# Altium PCB Thunderscope_Rev4.PCBDOC (part 7 of 7) (continued)
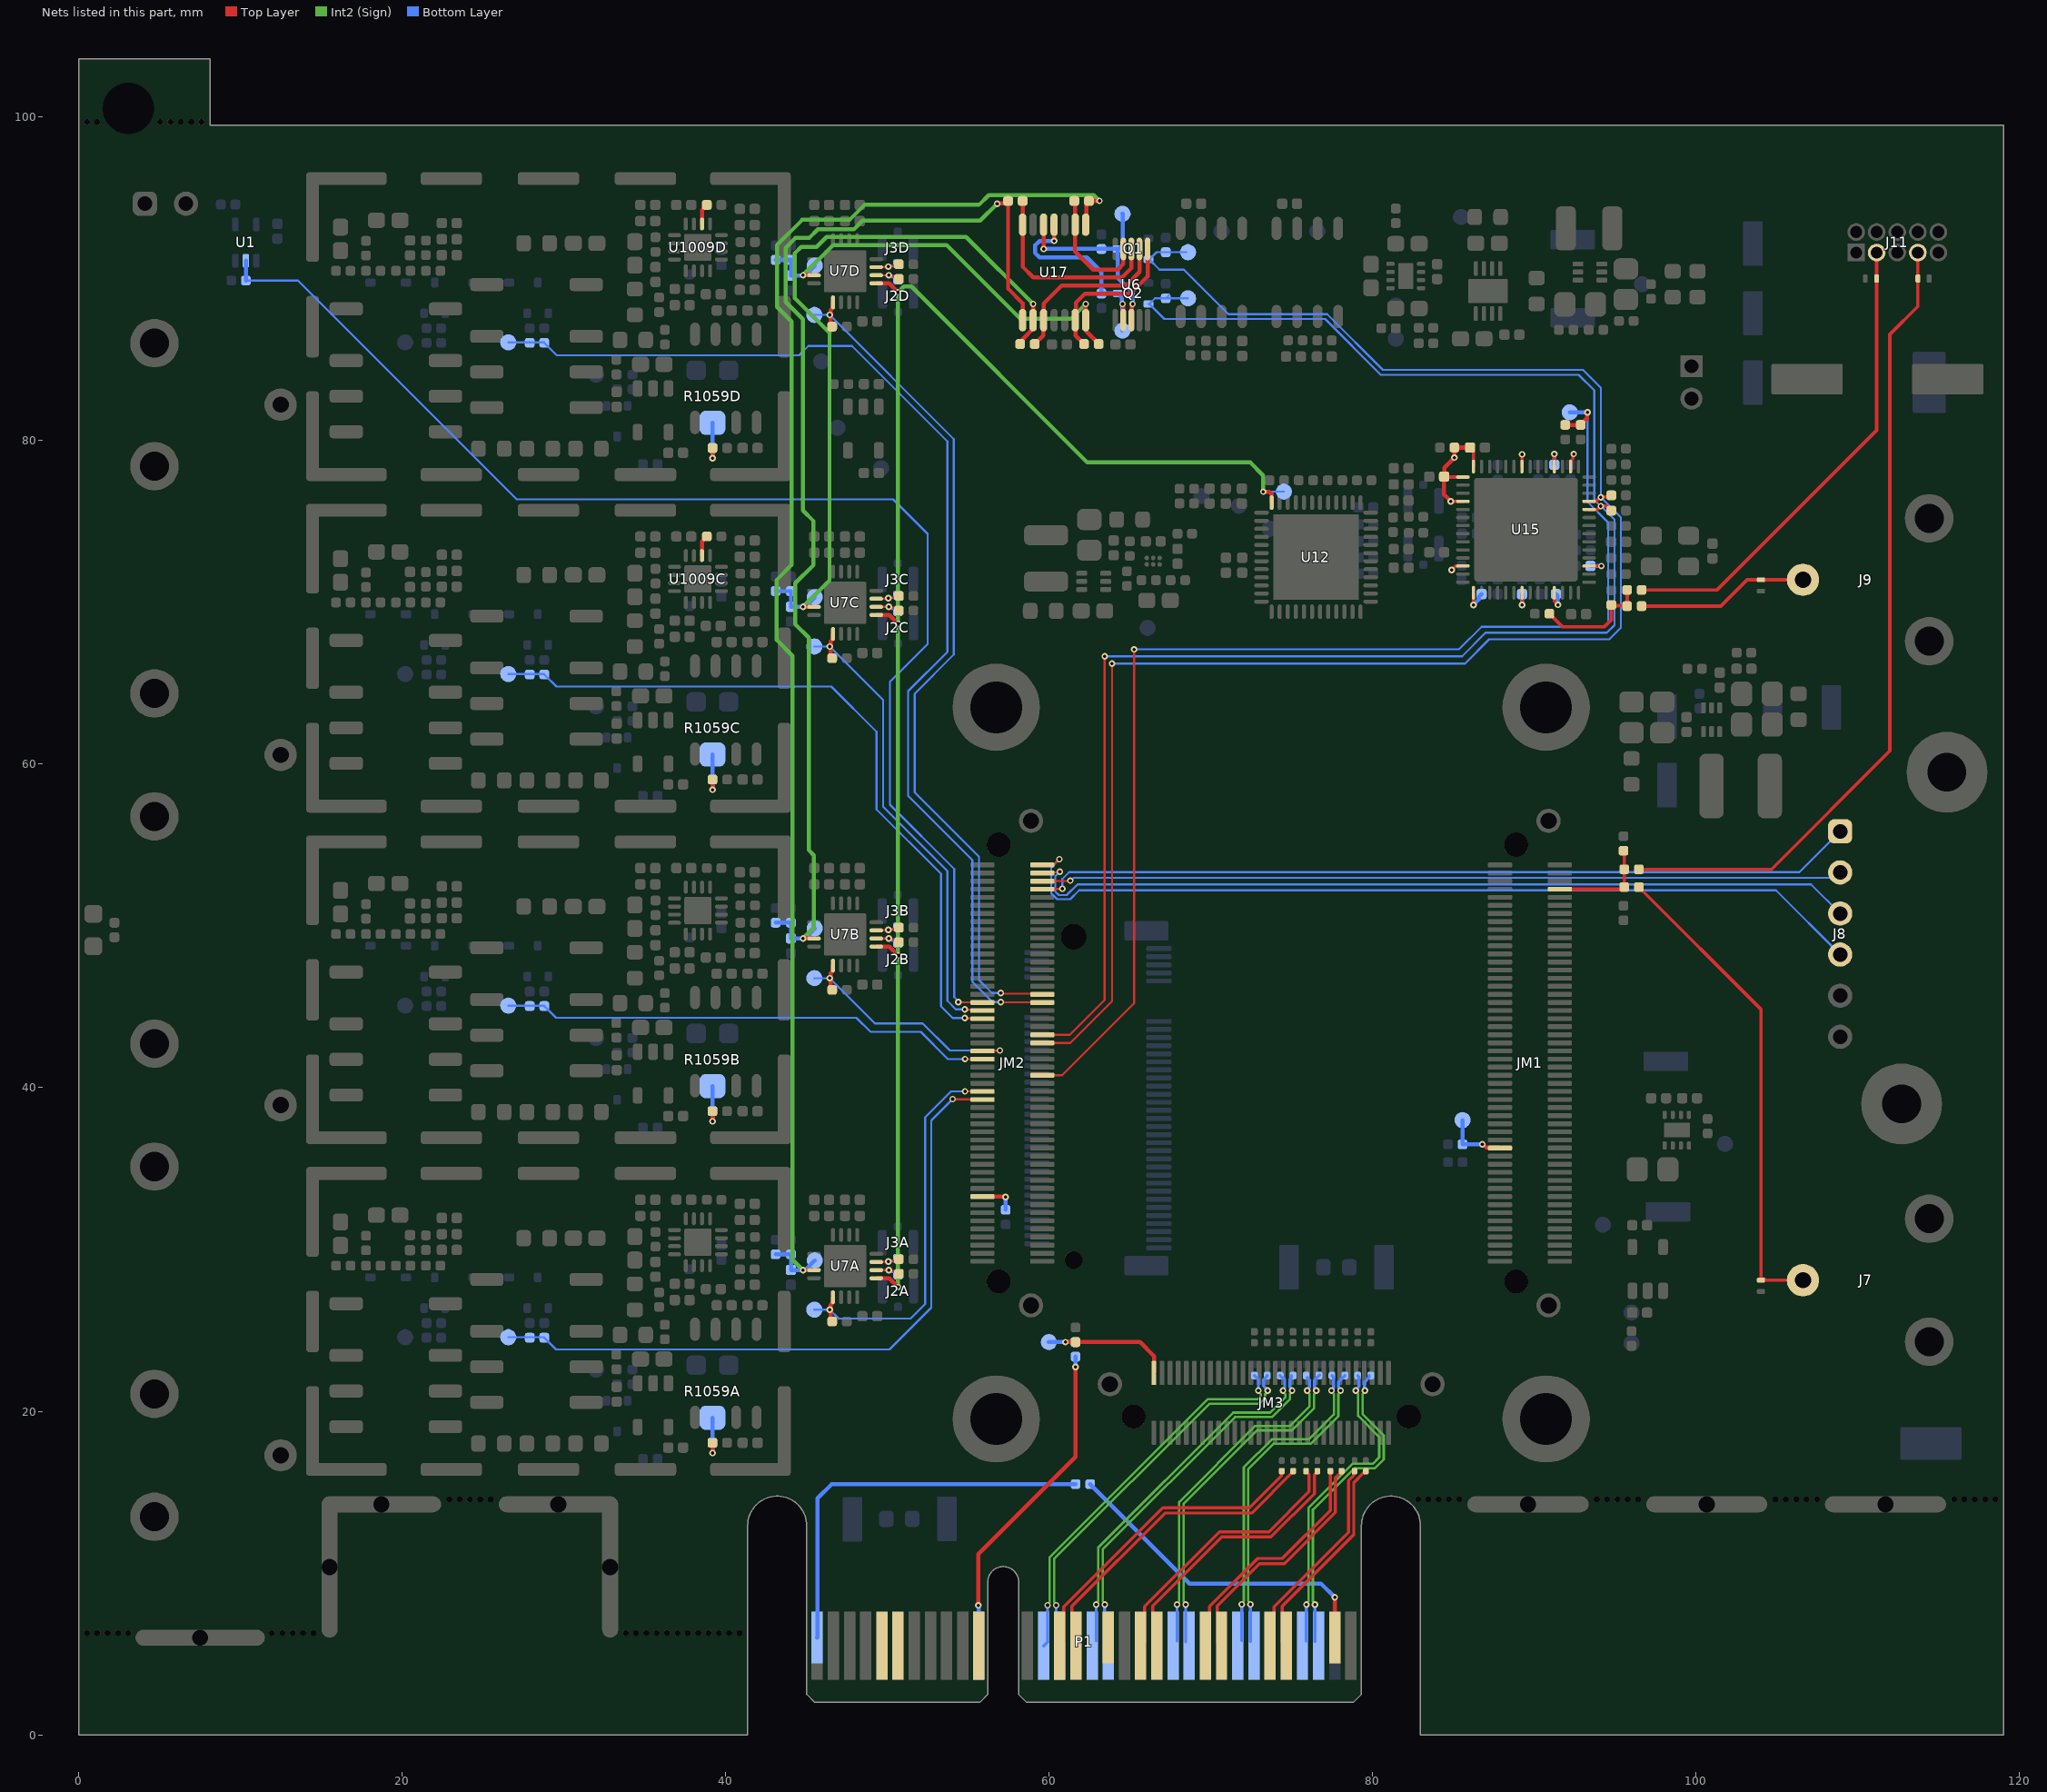
[diagram p11: the nets of this part, all layers, seen from the top]
## Nets (pads, with @x,y where several pads share a name; then routed paths per layer and width w, separated by ;. In a path a pad name is that pad's centre, name@x,y a point inside that pad or via, vN(x,y) a via of type N, cw(c..) or ccw(c..) an arc to the next point about the centre after c; other vN are vias at no path point) (continued)
  Int2 (Sign) w0.254: v1(50.65,27.675) v1(50.65,48.175) v1(50.65,68.675) v1(50.65,89.175) 51,89.525 51.475,89.525 62.35,78.65 72.425,78.65 73.229,77.846 v1(73.229,76.846)
  Bottom Layer w0.127: v1(73.229,76.846) 73.231,76.848 74.498,76.848 TP16.1@74.5,76.85
  Bottom Layer w0.254: v1@73.227,76.844 v1(73.229,76.846)
VDDH: C88.1 C90.1 C93.1 C94.1 C95.1 C112.1 C113.1 FB5.2 U15.1 U15.7 U15.11 U15.17 U15.30 U15.32 U15.36 U15.42 U15.43 U15.46 U15.54 | length 17.8
  Top Layer w0.2: C95.1@84.41,77.775 84.435,77.75 U15.43@85.575,77.75 ; v1(84.82,76.25) U15.46@85.575,76.25 ; v1(84.875,72) 85.125,72.25 U15.54@85.575,72.25 ; C112.1@86.015,79.575 86.015,79.543 86.225,79.333 U15.42@86.225,78.4 ; v1(86.225,69.845) U15.1@86.225,70.6 ; v1(89.225,69.845) U15.7@89.225,70.6 ; U15.36@89.225,78.4 v1(89.225,79.155) ; U15.11@91.225,70.6 91.225,70.075 v1(91.45,69.85) ; U15.32@91.225,78.4 v1(91.225,79.175) ; U15.30@92.225,78.4 92.225,78.725 92.386,78.886 92.386,79.136 v1(92.425,79.175) ; U15.17@93.375,72.25 v1(94.13,72.25)
  Top Layer w0.254: v1(84.82,76.25) 84.82,76.257 84.41,76.666 C95.1@84.41,77.775 84.427,77.792 84.427,78.327 v1(85.05,78.95) FB5.2@85.05,79.575 85.983,79.575 C112.1@86.015,79.543
  Bottom Layer w0.254: v1(86.225,69.845) 86.552,70.172 86.552,70.342 C90.1@86.725,70.515 ; v1(89.225,69.845) C113.1@89.225,70.515 ; C88.1@91.225,78.51 v1(91.225,79.175) ; C93.1@91.325,70.515 91.421,70.419 91.421,69.879 v1(91.45,69.85) ; C94.1@93.46,72.25 v1(94.13,72.25)
VOUT1: R15.2 U6.9 U17.2 | length 7.7
  Top Layer w0.254: R15.2@61.475,94.825 61.6,94.7 U17.2@61.6,93.35 61.6,91.7 62.725,90.575 64.225,90.575 64.575,90.925 U6.9@64.575,91.85
VOUT2: R17.2 U6.8 U17.7 | length 12.5
  Top Layer w0.254: R17.2@58.35,94.825 U17.7@58.35,93.35 58.35,90.75 59,90.1 64.5,90.1 65.069,90.669 65.069,91.819 65.057,91.832 U6.8@65.075,91.85
VOUT3: R18.2 U6.7 U17.10 | length 10.9
  Top Layer w0.254: R18.2@59.1,85.975 59.625,86.5 59.625,87.425 U17.10@59.65,87.45 59.65,88.475 60.775,89.6 64.75,89.6 65.575,90.425 U6.7@65.575,91.85
VOUT4: R19.2 U6.6 U17.13 | length 9.6
  Top Layer w0.254: U17.13@61.6,87.45 U17.13@61.625,87.425 ; R19.2@62.15,85.975 61.625,86.5 U17.13@61.625,87.425 ; U6.6@66.075,91.85 66.075,90.15 65,89.075 62.2,89.075 61.638,88.513 61.638,87.438 U17.13@61.625,87.425
WAKE#: P1.B11
pads on no net: J10.1 J10.7 J10.9 J10.11 J10.21 J10.23 J10.25 J10.27 J10.29 J10.31 J10.33 J10.35 J10.37 J10.39 J10.41 J10.43 J10.45 J10.47 J10.55 J10.57 J10.67 J10.68 J10.75 J10.78 J10.79 JM1. JM1.3 JM1.5 JM1.8 JM1.9 JM1.11 JM1.13 JM1.15 JM1.17 JM1.18 JM1.20 JM1.21 JM1.22 JM1.23 JM1.24 JM1.26 JM1.28 JM1.31 JM1.32 JM1.34 JM1.35 JM1.36 JM1.37 JM1.38 JM1.39 JM1.40 JM1.41 JM1.42 JM1.44 JM1.45 JM1.46 JM1.47 JM1.48 JM1.49 JM1.50 JM1.51 JM1.52 JM1.56 JM1.58 JM1.66 JM1.68 JM1.70 JM1.72 JM1.75 JM1.77 JM1.80 JM1.82 JM1.84 JM1.86 JM1.88 JM1.91 JM1.92 JM1.98 JM1.100 JM2. JM2.6 JM2.9 JM2.11 JM2.12 JM2.13 JM2.14 JM2.15 JM2.16 JM2.18 JM2.20 JM2.21 JM2.22 JM2.23 JM2.24 JM2.25 JM2.26 JM2.27 JM2.28 JM2.30 JM2.32 JM2.34 JM2.36 JM2.38 JM2.67 JM2.71 JM2.72 JM2.73 JM2.74 JM2.75 JM2.76 JM2.77 JM2.78 JM2.81 JM2.82 JM2.83 JM2.84 JM2.85 JM2.86 JM2.87 JM2.88 JM2.90 JM2.91 JM2.93 JM2.95 JM2.97 JM2.99 JM3. JM3.1 JM3.2 JM3.3 JM3.4 JM3.31 JM3.33 JM3.37 JM3.38 JM3.39 JM3.40 JM3.41 JM3.42 JM3.43 JM3.44 JM3.47 JM3.48 JM3.49 JM3.50 JM3.51 JM3.52 JM3.53 JM3.54 JM3.55 JM3.56 JM3.57 JM3.58 JM3.59 P1.A19 P1.A32 P1.B12 P1.B30 R1059A.1 R1059B.1 R1059C.1 R1059D.1 U1.1 U5.1 U5.5 U5.8 U6.5 U7A.1 U7A.2 U7A.16 U7B.1 U7B.2 U7B.16 U7C.1 U7C.2 U7C.16 U7D.1 U7D.2 U7D.16 U8.1 U8.5 U8.8 U11.6 U15.2 U15.3 U15.5 U15.6 U15.9 U15.12 U15.13 U15.20 U15.34 U15.35 U15.37 U15.38 U15.40 U15.41 U15.44 U15.45 U15.52 U15.53 U15.55 U15.56 U16.4 U20.4 U1009A.9 U1009A.13 U1009A.16 U1009B.9 U1009B.13 U1009B.16 U1009C.9 U1009C.13 U1009C.16 U1009D.9 U1009D.13 U1009D.16 U1011A.1 U1011A.5 U1011A.8 U1011B.1 U1011B.5 U1011B.8 U1011C.1 U1011C.5 U1011C.8 U1011D.1 U1011D.5 U1011D.8

## Polygon pours and split planes (outlines as drawn)
GND on Top Layer "GND_L05_P-001" (solid, remove dead copper, pour order 80): 0,0 0,104 119,104 119,0
+5V2 on Top Layer "+5V2_L01_P-001" (solid, pour order 79): 91,89.5 91,95.85 80.9,95.85 80.9,93 89.25,93 89.25,89.5
NetC2_2 on Top Layer "NetC2_2_IN_L01_P-001" (solid, pour order 78): 93.825,94.485 109.05,94.485 109.05,80.675 98,80.675 98,90 93.825,90
+3V3 on Top Layer "+3V3_L01_P-001" (solid, pour order 53): 98.885,39.05 97.385,39.05 97.385,40.85 98.885,40.85
+3V3_IN on Top Layer "+3V3_L01_P-001" (solid, pour order 77): 97.5,35.7 99,35.7 99,33.1 97.5,33.1
+3V3 on Top Layer "+3V3_L01_P-001" (solid, pour order 55): 99.325,89.325 100.825,89.325 100.825,87.375 99.325,87.375
+VUSB on Top Layer "+VUSB_L01_P-001" (solid, pour order 75): 98,89.325 98,80.675 101.5,80.675 101.5,87.237 99.325,87.237 99.325,89.325
+2V5 on Top Layer "+2V5_L01_P-001" (solid, pour order 70): 95.5,29.5 96.5,29.5 96.5,31.925 90.8,31.925 90.8,31.1 95.5,31.1
+3V3 on Top Layer "+3V3_L01_P-002" (solid, pour order 74): 56.95,31.5 58.45,31.5 58.45,29.025 56.95,29.025
+3V3_M2 on Top Layer "+3V3_M2_L01_P-001" (solid, pour order 71): 67.25,48.875 68.5,48.875 68.5,31.875 77.75,31.875 77.75,27 67.25,27
GND on Bottom Layer "GND_L05_P-001" (solid, remove dead copper, pour order 69): 0,0 0,104 119,104 119,0
+3V3_PCIe on Bottom Layer "+3V3_PCIe_L01_P-001" (solid, pour order 54): 55,7.75 52.3,7.75 52.3,11.925 50.725,11.925 50.725,14.75 52.3,14.75 55,14.75
-5V on Int2 (Sign) "-4V8_L03_P-001" (solid, remove dead copper, pour order 61): 71.45,94.175 71.45,83.675 81.4,83.675 81.4,100 0,100 0,0 41,0 41,10.1 43.125,10.1 43.125,94.175
GND on Int2 (Sign) "GND_L05_P-001" (solid, remove dead copper, pour order 87): 0,0 0,104 119,104 119,0
+1V8APLL on Int2 (Sign) "+1V8APLL_L01_P-001" (solid, pour order 73): 81.75,68.25 101.775,68.25 101.775,79.65 81.75,79.65
+5V2 on Int2 (Sign) "+5V2_L03_P-001" (solid, pour order 58): 105,61 112,61 112,95.8 85,95.8 85,86 105,86
+12V_PCIe on Int2 (Sign) "+12V_PCIe_L03_P-001" (solid, pour order 60): 46,7.5 46,19 53,26 53,34 55.25,36.25 55.25,51.25 64.5,60.5 98.5,60.5 98.5,53 63.5,53 60,49.5 60,34 56,30 56,24 49.5,17.5 49.5,7.5
+1V8A on Int2 (Sign) "+1V8A_L01_P-001" (solid, pour order 85): 68.5,76.425 80.25,76.425 80.25,79.65 81.6,79.65 81.6,72.875 72,72.875 72,73.525 68.5,73.525
+1V8D on Int2 (Sign) "+1V8D_L01_P-001" (solid, pour order 82): 67.05,76.425 67.05,70.125 81.6,70.125 81.6,72.875 72,72.875 72,73.525 68.5,73.525 68.5,76.425
NetC60_2 on Int2 (Sign) "NetC60_2_L01_P-001" (solid, pour order 67): 69.25,78.125 64.475,78.125 64.475,68.25 85.875,68.25 85.875,71.65 81.75,71.65 81.75,70.125 67.05,70.125 67.05,76.575 69.25,76.575
+3V3 on Int3 (Sign) "+3V3_L04_P-001" (solid, remove dead copper, pour order 86): 0,0 0,104 119,104 119,0
VDDH on Int3 (Sign) "VDDH_L01_P-001" (solid, pour order 81): 84.452,79.5 94.475,79.5 94.475,69.5 84.522,69.5
+5V on Int3 (Sign) "+4V8_L04_P-001" (solid, remove dead copper, pour order 72): 48.025,87.35 55.025,87.35 55.025,83.95 88.4,83.95 88.4,95.6 34.15,95.6 34.15,16.925 48.025,16.925
+3V3_PGA on Int3 (Sign) "+3V3_PGA_L04_P-001" (solid, pour order 66): 48.1,87.2 50.5,87.2 50.5,16.9 48.1,16.9
+3V3_IN on Int3 (Sign) "+3V3_IN_L04_P-001" (solid, pour order 84): 43.2,14.9 43.2,2 99.2,2 99.2,35 56.5,35 56.5,28 56.5,14.9
GND on Int4 (GND) "GND_L05_P-001" (solid, remove dead copper, pour order 51): 0,0 0,104 119,104 119,0
GND on Int1 (GND) "GND_L05_P-001" (solid, remove dead copper, pour order 52): 0,0 0,104 119,104 119,0

## Keep-outs
Top Layer:
  region: 119,14.875 119,99 118,99 118,14.875
  rectangle: 0,97 119,99.5
  rectangle: 79.3,13.025 119,15.75
  region: 15,14.7 15.05,14.7 33.3,14.7 33.3,9.95 ccw(c33.35,9.95) 33.35,9.9 41.35,9.9 ccw(c41.35,9.95) 41.4,9.95 41.4,12.925 cw(c43.175,12.925) 44.95,12.925 ccw(c45,12.925) 45,12.875 45,15.8 15,15.8
Int1 (GND):
  region: 31.1,30.2 31.1,31.2 30.05,31.2 30.05,30.2
  region: 27.95,30.2 27.95,31.2 27.05,31.2 27.05,30.2
  region: 29.55,30.2 29.55,31.2 28.65,31.2 28.65,30.2
  region: 31.15,17.5 31.15,18.5 30.25,18.5 30.25,17.5
  region: 28.15,17.5 28.15,18.5 27.25,18.5 27.25,17.5
  region: 29.75,17.5 29.75,18.5 28.85,18.5 28.85,17.5
  region: 25.15,17.5 25.15,18.5 24.25,18.5 24.25,17.5
  region: 26.75,17.5 26.75,18.5 25.85,18.5 25.85,17.5
  region: 32.395,22.35 32.395,23.15 30.32,23.15 30.32,22.35
  region: 32.395,20.15 32.395,20.95 30.32,20.95 30.32,20.15
  region: 24.195,23.15 24.195,22.35 26.27,22.35 26.27,23.15
  region: 24.195,20.95 24.195,20.15 26.27,20.15 26.27,20.95
  region: 32.395,24.55 32.395,25.35 30.32,25.35 30.32,24.55
  region: 26.255,24.55 26.255,25.35 24.18,25.35 24.18,24.55
  region: 23.7,20.85 23.7,21.65 21.625,21.65 21.625,20.85
  region: 23.7,18.65 23.7,19.45 21.625,19.45 21.625,18.65
  region: 15.5,21.65 15.5,20.85 17.575,20.85 17.575,21.65
  region: 15.5,19.45 15.5,18.65 17.575,18.65 17.575,19.45
  region: 23.7,23.05 23.7,23.85 21.625,23.85 21.625,23.05
  region: 17.56,23.05 17.56,23.85 15.485,23.85 15.485,23.05
  region: 31.1,50.7 31.1,51.7 30.05,51.7 30.05,50.7
  region: 27.95,50.7 27.95,51.7 27.05,51.7 27.05,50.7
  region: 29.55,50.7 29.55,51.7 28.65,51.7 28.65,50.7
  region: 31.15,38 31.15,39 30.25,39 30.25,38
  region: 28.15,38 28.15,39 27.25,39 27.25,38
  region: 29.75,38 29.75,39 28.85,39 28.85,38
  region: 25.15,38 25.15,39 24.25,39 24.25,38
  region: 26.75,38 26.75,39 25.85,39 25.85,38
  region: 32.395,42.85 32.395,43.65 30.32,43.65 30.32,42.85
  region: 32.395,40.65 32.395,41.45 30.32,41.45 30.32,40.65
  region: 24.195,43.65 24.195,42.85 26.27,42.85 26.27,43.65
  region: 24.195,41.45 24.195,40.65 26.27,40.65 26.27,41.45
  region: 32.395,45.05 32.395,45.85 30.32,45.85 30.32,45.05
  region: 26.255,45.05 26.255,45.85 24.18,45.85 24.18,45.05
  region: 23.7,41.35 23.7,42.15 21.625,42.15 21.625,41.35
  region: 23.7,39.15 23.7,39.95 21.625,39.95 21.625,39.15
  region: 15.5,42.15 15.5,41.35 17.575,41.35 17.575,42.15
  region: 15.5,39.95 15.5,39.15 17.575,39.15 17.575,39.95
  region: 23.7,43.55 23.7,44.35 21.625,44.35 21.625,43.55
  region: 17.56,43.55 17.56,44.35 15.485,44.35 15.485,43.55
  region: 31.1,71.2 31.1,72.2 30.05,72.2 30.05,71.2
  region: 27.95,71.2 27.95,72.2 27.05,72.2 27.05,71.2
  region: 29.55,71.2 29.55,72.2 28.65,72.2 28.65,71.2
  region: 31.15,58.5 31.15,59.5 30.25,59.5 30.25,58.5
  region: 28.15,58.5 28.15,59.5 27.25,59.5 27.25,58.5
  region: 29.75,58.5 29.75,59.5 28.85,59.5 28.85,58.5
  region: 25.15,58.5 25.15,59.5 24.25,59.5 24.25,58.5
  region: 26.75,58.5 26.75,59.5 25.85,59.5 25.85,58.5
  region: 32.395,63.35 32.395,64.15 30.32,64.15 30.32,63.35
  region: 32.395,61.15 32.395,61.95 30.32,61.95 30.32,61.15
  region: 24.195,64.15 24.195,63.35 26.27,63.35 26.27,64.15
  region: 24.195,61.95 24.195,61.15 26.27,61.15 26.27,61.95
  region: 32.395,65.55 32.395,66.35 30.32,66.35 30.32,65.55
  region: 26.255,65.55 26.255,66.35 24.18,66.35 24.18,65.55
  region: 23.7,61.85 23.7,62.65 21.625,62.65 21.625,61.85
  region: 23.7,59.65 23.7,60.45 21.625,60.45 21.625,59.65
  region: 15.5,62.65 15.5,61.85 17.575,61.85 17.575,62.65
  region: 15.5,60.45 15.5,59.65 17.575,59.65 17.575,60.45
  region: 23.7,64.05 23.7,64.85 21.625,64.85 21.625,64.05
  region: 17.56,64.05 17.56,64.85 15.485,64.85 15.485,64.05
  region: 17.56,84.55 17.56,85.35 15.485,85.35 15.485,84.55
  region: 23.7,84.55 23.7,85.35 21.625,85.35 21.625,84.55
  region: 15.5,80.95 15.5,80.15 17.575,80.15 17.575,80.95
  region: 15.5,83.15 15.5,82.35 17.575,82.35 17.575,83.15
  region: 23.7,80.15 23.7,80.95 21.625,80.95 21.625,80.15
  region: 23.7,82.35 23.7,83.15 21.625,83.15 21.625,82.35
  region: 26.255,86.05 26.255,86.85 24.18,86.85 24.18,86.05
  region: 32.395,86.05 32.395,86.85 30.32,86.85 30.32,86.05
  region: 24.195,82.45 24.195,81.65 26.27,81.65 26.27,82.45
  region: 24.195,84.65 24.195,83.85 26.27,83.85 26.27,84.65
  region: 32.395,81.65 32.395,82.45 30.32,82.45 30.32,81.65
  region: 32.395,83.85 32.395,84.65 30.32,84.65 30.32,83.85
  region: 26.75,79 26.75,80 25.85,80 25.85,79
  region: 25.15,79 25.15,80 24.25,80 24.25,79
  region: 29.75,79 29.75,80 28.85,80 28.85,79
  region: 28.15,79 28.15,80 27.25,80 27.25,79
  region: 31.15,79 31.15,80 30.25,80 30.25,79
  region: 29.55,91.7 29.55,92.7 28.65,92.7 28.65,91.7
  region: 27.95,91.7 27.95,92.7 27.05,92.7 27.05,91.7
  region: 31.1,91.7 31.1,92.7 30.05,92.7 30.05,91.7
Int2 (Sign):
  region: 31.1,30.2 31.1,31.2 30.05,31.2 30.05,30.2
  region: 27.95,30.2 27.95,31.2 27.05,31.2 27.05,30.2
  region: 29.55,30.2 29.55,31.2 28.65,31.2 28.65,30.2
  region: 31.15,17.5 31.15,18.5 30.25,18.5 30.25,17.5
  region: 28.15,17.5 28.15,18.5 27.25,18.5 27.25,17.5
  region: 29.75,17.5 29.75,18.5 28.85,18.5 28.85,17.5
  region: 25.15,17.5 25.15,18.5 24.25,18.5 24.25,17.5
  region: 26.75,17.5 26.75,18.5 25.85,18.5 25.85,17.5
  region: 17.56,23.05 17.56,23.85 15.485,23.85 15.485,23.05
  region: 23.7,23.05 23.7,23.85 21.625,23.85 21.625,23.05
  region: 15.5,19.45 15.5,18.65 17.575,18.65 17.575,19.45
  region: 15.5,21.65 15.5,20.85 17.575,20.85 17.575,21.65
  region: 23.7,18.65 23.7,19.45 21.625,19.45 21.625,18.65
  region: 23.7,20.85 23.7,21.65 21.625,21.65 21.625,20.85
  region: 26.255,24.55 26.255,25.35 24.18,25.35 24.18,24.55
  region: 32.395,24.55 32.395,25.35 30.32,25.35 30.32,24.55
  region: 24.195,20.95 24.195,20.15 26.27,20.15 26.27,20.95
  region: 24.195,23.15 24.195,22.35 26.27,22.35 26.27,23.15
  region: 32.395,20.15 32.395,20.95 30.32,20.95 30.32,20.15
  region: 32.395,22.35 32.395,23.15 30.32,23.15 30.32,22.35
  region: 31.1,50.7 31.1,51.7 30.05,51.7 30.05,50.7
  region: 27.95,50.7 27.95,51.7 27.05,51.7 27.05,50.7
  region: 29.55,50.7 29.55,51.7 28.65,51.7 28.65,50.7
  region: 31.15,38 31.15,39 30.25,39 30.25,38
  region: 28.15,38 28.15,39 27.25,39 27.25,38
  region: 29.75,38 29.75,39 28.85,39 28.85,38
  region: 25.15,38 25.15,39 24.25,39 24.25,38
  region: 26.75,38 26.75,39 25.85,39 25.85,38
  region: 17.56,43.55 17.56,44.35 15.485,44.35 15.485,43.55
  region: 23.7,43.55 23.7,44.35 21.625,44.35 21.625,43.55
  region: 15.5,39.95 15.5,39.15 17.575,39.15 17.575,39.95
  region: 15.5,42.15 15.5,41.35 17.575,41.35 17.575,42.15
  region: 23.7,39.15 23.7,39.95 21.625,39.95 21.625,39.15
  region: 23.7,41.35 23.7,42.15 21.625,42.15 21.625,41.35
  region: 26.255,45.05 26.255,45.85 24.18,45.85 24.18,45.05
  region: 32.395,45.05 32.395,45.85 30.32,45.85 30.32,45.05
  region: 24.195,41.45 24.195,40.65 26.27,40.65 26.27,41.45
  region: 24.195,43.65 24.195,42.85 26.27,42.85 26.27,43.65
  region: 32.395,40.65 32.395,41.45 30.32,41.45 30.32,40.65
  region: 32.395,42.85 32.395,43.65 30.32,43.65 30.32,42.85
  region: 31.1,71.2 31.1,72.2 30.05,72.2 30.05,71.2
  region: 27.95,71.2 27.95,72.2 27.05,72.2 27.05,71.2
  region: 29.55,71.2 29.55,72.2 28.65,72.2 28.65,71.2
  region: 31.15,58.5 31.15,59.5 30.25,59.5 30.25,58.5
  region: 28.15,58.5 28.15,59.5 27.25,59.5 27.25,58.5
  region: 29.75,58.5 29.75,59.5 28.85,59.5 28.85,58.5
  region: 25.15,58.5 25.15,59.5 24.25,59.5 24.25,58.5
  region: 26.75,58.5 26.75,59.5 25.85,59.5 25.85,58.5
  region: 17.56,64.05 17.56,64.85 15.485,64.85 15.485,64.05
  region: 23.7,64.05 23.7,64.85 21.625,64.85 21.625,64.05
  region: 15.5,60.45 15.5,59.65 17.575,59.65 17.575,60.45
  region: 15.5,62.65 15.5,61.85 17.575,61.85 17.575,62.65
  region: 23.7,59.65 23.7,60.45 21.625,60.45 21.625,59.65
  region: 23.7,61.85 23.7,62.65 21.625,62.65 21.625,61.85
  region: 26.255,65.55 26.255,66.35 24.18,66.35 24.18,65.55
  region: 32.395,65.55 32.395,66.35 30.32,66.35 30.32,65.55
  region: 24.195,61.95 24.195,61.15 26.27,61.15 26.27,61.95
  region: 24.195,64.15 24.195,63.35 26.27,63.35 26.27,64.15
  region: 32.395,61.15 32.395,61.95 30.32,61.95 30.32,61.15
  region: 32.395,63.35 32.395,64.15 30.32,64.15 30.32,63.35
  region: 32.395,83.85 32.395,84.65 30.32,84.65 30.32,83.85
  region: 32.395,81.65 32.395,82.45 30.32,82.45 30.32,81.65
  region: 24.195,84.65 24.195,83.85 26.27,83.85 26.27,84.65
  region: 24.195,82.45 24.195,81.65 26.27,81.65 26.27,82.45
  region: 32.395,86.05 32.395,86.85 30.32,86.85 30.32,86.05
  region: 26.255,86.05 26.255,86.85 24.18,86.85 24.18,86.05
  region: 23.7,82.35 23.7,83.15 21.625,83.15 21.625,82.35
  region: 23.7,80.15 23.7,80.95 21.625,80.95 21.625,80.15
  region: 15.5,83.15 15.5,82.35 17.575,82.35 17.575,83.15
  region: 15.5,80.95 15.5,80.15 17.575,80.15 17.575,80.95
  region: 23.7,84.55 23.7,85.35 21.625,85.35 21.625,84.55
  region: 17.56,84.55 17.56,85.35 15.485,85.35 15.485,84.55
  region: 26.75,79 26.75,80 25.85,80 25.85,79
  region: 25.15,79 25.15,80 24.25,80 24.25,79
  region: 29.75,79 29.75,80 28.85,80 28.85,79
  region: 28.15,79 28.15,80 27.25,80 27.25,79
  region: 31.15,79 31.15,80 30.25,80 30.25,79
  region: 29.55,91.7 29.55,92.7 28.65,92.7 28.65,91.7
  region: 27.95,91.7 27.95,92.7 27.05,92.7 27.05,91.7
  region: 31.1,91.7 31.1,92.7 30.05,92.7 30.05,91.7
Int3 (Sign):
  region: 31.1,30.2 31.1,31.2 30.05,31.2 30.05,30.2
  region: 27.95,30.2 27.95,31.2 27.05,31.2 27.05,30.2
  region: 29.55,30.2 29.55,31.2 28.65,31.2 28.65,30.2
  region: 31.15,17.5 31.15,18.5 30.25,18.5 30.25,17.5
  region: 28.15,17.5 28.15,18.5 27.25,18.5 27.25,17.5
  region: 29.75,17.5 29.75,18.5 28.85,18.5 28.85,17.5
  region: 25.15,17.5 25.15,18.5 24.25,18.5 24.25,17.5
  region: 26.75,17.5 26.75,18.5 25.85,18.5 25.85,17.5
  region: 17.56,23.05 17.56,23.85 15.485,23.85 15.485,23.05
  region: 23.7,23.05 23.7,23.85 21.625,23.85 21.625,23.05
  region: 15.5,19.45 15.5,18.65 17.575,18.65 17.575,19.45
  region: 15.5,21.65 15.5,20.85 17.575,20.85 17.575,21.65
  region: 23.7,18.65 23.7,19.45 21.625,19.45 21.625,18.65
  region: 23.7,20.85 23.7,21.65 21.625,21.65 21.625,20.85
  region: 26.255,24.55 26.255,25.35 24.18,25.35 24.18,24.55
  region: 32.395,24.55 32.395,25.35 30.32,25.35 30.32,24.55
  region: 24.195,20.95 24.195,20.15 26.27,20.15 26.27,20.95
  region: 24.195,23.15 24.195,22.35 26.27,22.35 26.27,23.15
  region: 32.395,20.15 32.395,20.95 30.32,20.95 30.32,20.15
  region: 32.395,22.35 32.395,23.15 30.32,23.15 30.32,22.35
  region: 31.1,50.7 31.1,51.7 30.05,51.7 30.05,50.7
  region: 27.95,50.7 27.95,51.7 27.05,51.7 27.05,50.7
  region: 29.55,50.7 29.55,51.7 28.65,51.7 28.65,50.7
  region: 31.15,38 31.15,39 30.25,39 30.25,38
  region: 28.15,38 28.15,39 27.25,39 27.25,38
  region: 29.75,38 29.75,39 28.85,39 28.85,38
  region: 25.15,38 25.15,39 24.25,39 24.25,38
  region: 26.75,38 26.75,39 25.85,39 25.85,38
  region: 17.56,43.55 17.56,44.35 15.485,44.35 15.485,43.55
  region: 23.7,43.55 23.7,44.35 21.625,44.35 21.625,43.55
  region: 15.5,39.95 15.5,39.15 17.575,39.15 17.575,39.95
  region: 15.5,42.15 15.5,41.35 17.575,41.35 17.575,42.15
  region: 23.7,39.15 23.7,39.95 21.625,39.95 21.625,39.15
  region: 23.7,41.35 23.7,42.15 21.625,42.15 21.625,41.35
  region: 26.255,45.05 26.255,45.85 24.18,45.85 24.18,45.05
  region: 32.395,45.05 32.395,45.85 30.32,45.85 30.32,45.05
  region: 24.195,41.45 24.195,40.65 26.27,40.65 26.27,41.45
  region: 24.195,43.65 24.195,42.85 26.27,42.85 26.27,43.65
  region: 32.395,40.65 32.395,41.45 30.32,41.45 30.32,40.65
  region: 32.395,42.85 32.395,43.65 30.32,43.65 30.32,42.85
  region: 31.1,71.2 31.1,72.2 30.05,72.2 30.05,71.2
  region: 27.95,71.2 27.95,72.2 27.05,72.2 27.05,71.2
  region: 29.55,71.2 29.55,72.2 28.65,72.2 28.65,71.2
  region: 31.15,58.5 31.15,59.5 30.25,59.5 30.25,58.5
  region: 28.15,58.5 28.15,59.5 27.25,59.5 27.25,58.5
  region: 29.75,58.5 29.75,59.5 28.85,59.5 28.85,58.5
  region: 25.15,58.5 25.15,59.5 24.25,59.5 24.25,58.5
  region: 26.75,58.5 26.75,59.5 25.85,59.5 25.85,58.5
  region: 17.56,64.05 17.56,64.85 15.485,64.85 15.485,64.05
  region: 23.7,64.05 23.7,64.85 21.625,64.85 21.625,64.05
  region: 15.5,60.45 15.5,59.65 17.575,59.65 17.575,60.45
  region: 15.5,62.65 15.5,61.85 17.575,61.85 17.575,62.65
  region: 23.7,59.65 23.7,60.45 21.625,60.45 21.625,59.65
  region: 23.7,61.85 23.7,62.65 21.625,62.65 21.625,61.85
  region: 26.255,65.55 26.255,66.35 24.18,66.35 24.18,65.55
  region: 32.395,65.55 32.395,66.35 30.32,66.35 30.32,65.55
  region: 24.195,61.95 24.195,61.15 26.27,61.15 26.27,61.95
  region: 24.195,64.15 24.195,63.35 26.27,63.35 26.27,64.15
  region: 32.395,61.15 32.395,61.95 30.32,61.95 30.32,61.15
  region: 32.395,63.35 32.395,64.15 30.32,64.15 30.32,63.35
  region: 32.395,83.85 32.395,84.65 30.32,84.65 30.32,83.85
  region: 32.395,81.65 32.395,82.45 30.32,82.45 30.32,81.65
  region: 24.195,84.65 24.195,83.85 26.27,83.85 26.27,84.65
  region: 24.195,82.45 24.195,81.65 26.27,81.65 26.27,82.45
  region: 32.395,86.05 32.395,86.85 30.32,86.85 30.32,86.05
  region: 26.255,86.05 26.255,86.85 24.18,86.85 24.18,86.05
  region: 23.7,82.35 23.7,83.15 21.625,83.15 21.625,82.35
  region: 23.7,80.15 23.7,80.95 21.625,80.95 21.625,80.15
  region: 15.5,83.15 15.5,82.35 17.575,82.35 17.575,83.15
  region: 15.5,80.95 15.5,80.15 17.575,80.15 17.575,80.95
  region: 23.7,84.55 23.7,85.35 21.625,85.35 21.625,84.55
  region: 17.56,84.55 17.56,85.35 15.485,85.35 15.485,84.55
  region: 26.75,79 26.75,80 25.85,80 25.85,79
  region: 25.15,79 25.15,80 24.25,80 24.25,79
  region: 29.75,79 29.75,80 28.85,80 28.85,79
  region: 28.15,79 28.15,80 27.25,80 27.25,79
  region: 31.15,79 31.15,80 30.25,80 30.25,79
  region: 29.55,91.7 29.55,92.7 28.65,92.7 28.65,91.7
  region: 27.95,91.7 27.95,92.7 27.05,92.7 27.05,91.7
  region: 31.1,91.7 31.1,92.7 30.05,92.7 30.05,91.7
Bottom Layer:
  region: 119,14.875 119,99 118,99 118,14.875
  rectangle: 0,97 119,99.5
  rectangle: 79.3,13.025 119,15.75
  region: 15,14.7 15.05,14.7 33.3,14.7 33.3,9.95 ccw(c33.35,9.95) 33.35,9.9 41.35,9.9 ccw(c41.35,9.95) 41.4,9.95 41.4,12.925 cw(c43.175,12.925) 44.95,12.925 ccw(c45,12.925) 45,12.875 45,15.8 15,15.8
Top Solder:
  rectangle: 33.35,6.625 41.35,9.95
Bottom Solder:
  rectangle: 33.35,6.625 41.35,9.95
KeepOutLayer:
  rectangle: 0,96 8.1,103.6
  rectangle: 33.35,6.625 41.35,9.95
  region: 81.125,15.25 81.125,0 119,0 119,15.25
  region: 0,0 0,7 16,7 16,13.75 32.35,13.75 32.35,7 41.35,7 41.35,0

## Other copper
Top Layer:
  pour cut-out: 14.85,34.3 43.225,34.3 43.225,16.8 14.85,16.8
  pour cut-out: 14.85,54.8 43.225,54.8 43.225,37.3 14.85,37.3
  pour cut-out: 14.85,75.3 43.225,75.3 43.225,57.8 14.85,57.8
  pour cut-out: 14.85,95.8 43.225,95.8 43.225,78.3 14.85,78.3
  pour cut-out: 45.125,26.725 49.625,26.725 49.625,31.225 45.125,31.225
  pour cut-out: 45.125,47.225 49.625,47.225 49.625,51.725 45.125,51.725
  pour cut-out: 45.125,67.725 49.625,67.725 49.625,72.225 45.125,72.225
  pour cut-out: 45.125,88.225 49.625,88.225 49.625,92.725 45.125,92.725
  pour cut-out: 50.419,66.24 50.419,68.825 50.144,68.825 50.144,66.24
  pour cut-out: 55.993,82.966 55.993,84.887 55.72,84.887 55.718,84.886 55.718,82.966
  pour cut-out: 80.6,48.525 80.6,47 87.075,47 87.075,48.525
  pour cut-out: 86.787,50.975 86.787,51.475 87.075,51.475 87.075,51.925 86.787,51.925 86.45,51.925 86.45,50.975
  pour cut-out: 74.425,9.967 75.125,9.967 75.125,10.075 74.425,10.075
  pour cut-out: 72.8,69.1 80.2,69.1 80.2,76.5 72.8,76.5
  pour cut-out: 85.475,70.5 93.475,70.5 93.475,78.5 85.475,78.5
  pour cut-out: 65.575,73.2 67.275,73.2 67.275,71.9 65.575,71.9
  pour cut-out: 45,7.6 79.3,7.6 79.3,2 45.05,2 45,2
Bottom Layer:
  pour cut-out: 45,7.6 79.3,7.6 79.3,2 45.05,2 45,2

## Silkscreen, mask and mechanical layers (free items; w line width, h text height)
Top Overlay:
  lines w0.1: 0,6.5 15,6.5 15,14.75 33.35,14.75 33.35,6.5 41.35,6.5 ; 0,99.5 7.65,99.525 ; 81.175,14.75 119,14.75
  lines w0.25: 53,15.695 94.45,15.695 94.45,67.245 53,67.245 53,15.695
  text "COMP" at 8.35,95.348 h1.2
  text "GND" at 2.74,92.123 h1.2
  text "CLK IN/OUT" at 110.111,64.225 h1.5
  text "TMS" at 115.043,54.288 h1.2
  text "TDI" at 115.065,51.748 h1.2
  text "TDO" at 115.006,49.208 h1.2
  text "TCK" at 115.019,46.668 h1.2
  text "GND" at 115.005,44.128 h1.2
  text "VREF" at 114.466,41.588 h1.2
  text "SYNC" at 110.111,34.491 h1.5
Bottom Overlay:
  lines w0.5: 113.625,49.5 119,49.5
  text "LDO" at 86.2,94.698 h1.2
  text "+5V2" at 89.251,94.698 h1.2
  text "SDA_5V" at 63.611,93.721 h1.2
  text "CH4_P" at 51.975,93.396 h1.2
  text "+5V2" at 93.576,93.373 h1.2
  text "CP_IN" at 82.755,93.246 h1.2
  text "SDA" at 68.223,92.535 h1.2 r270
  text "-" at 82.4,92.447 h1.2 r180
  text "+" at 87.633,92.436 h1.2 r270
  text "-" at 85.602,92.403 h1.2
  text "-" at 102.547,92.325 h1.2 r90
  text "TRIM4" at 44.771,91.6 h1.2 r270
  text "-" at 92.225,91.472 h1.2 r180
  text "FE_EN" at 97.977,90.7 h1.2
  text "BST IN" at 104.573,90.48 h1.2 r270
  text "-VBIAS" at 76.248,88.909 h1.2 r270
  text "+VBIAS" at 70.323,88.863 h1.2 r270
  text "BST OUT" at 94.26,88.573 h1.2
  text "CP_OUT" at 85.589,88.125 h1.2
  text "+" at 102.515,87.603 h1.2
  text "+" at 81.153,87.11 h1.2 r270
  text "PGA_CS4" at 44.6,86.946 h1.2
  text "+3V3" at 104.573,86.755 h1.2 r270
  text "+" at 92.647,86.615 h1.2 r90
  text "SCL_5V" at 63.611,86.521 h1.2
  text "SCL" at 68.223,86.418 h1.2 r270
  text "CH4_N" at 51.98,86.021 h1.2
  text "-5V" at 83.853,85.978 h1.2
  text "+5V" at 89.445,85.978 h1.2
  text "ATTEN4" at 19.45,85.346 h1.2
  text "TERM4" at 25.873,85.346 h1.2
  text "-" at 81.575,84.978 h1.2
  text "+5V" at 45.05,84.578 h1.2
  text "CPL4" at 31.191,83.346 h1.2
  text "+" at 102.515,83.328 h1.2
  text "GND" at 115.923,82.84 h1.2 r270
  text "+VUSB" at 104.573,82.093 h1.2 r270
  text "PLL / RSTn" at 91.325,81.021 h1.2
  text "LDO" at 46.054,80.316 h1.2
  text "CPL4" at 34.291,79.921 h1.2
  text "+3V3_PGA" at 48.754,77.816 h1.2
  text "VCM" at 75.357,77.698 h1.2
  text "CLK_P" at 83.825,77.496 h1.2
  text "ADC_CS" at 69.171,77.47 h1.2 r270
  text "SPI_SCK" at 71.496,76.87 h1.2 r270
  text "LDO" at 66.548,76.448 h1.2
  text "+1V92" at 63.858,76.046 h1.2
  text "SPI_SDO" at 78.38,74.321 h1.2
  text "+" at 62.203,73.735 h1.2 r270
  text "-" at 65.925,73.703 h1.2
  text "CH3_P" at 51.95,72.896 h1.2
  text "TRIM3" at 44.771,71.125 h1.2 r270
  text "-" at 61.825,70.897 h1.2 r180
  text "+" at 58.585,70.897 h1.2 r180
  text "CLK_N" at 83.825,70.271 h1.2
  text "+1V8" at 69.151,68.098 h1.2
  text "BUCK" at 63.042,67.498 h1.2
  text "+3V3" at 59.895,67.489 h1.2
  text "PGA_CS3" at 44.6,66.446 h1.2
  text "CH3_N" at 51.955,65.521 h1.2
  text "+" at 104.46,65.428 h1.2
  text "-" at 108.175,65.428 h1.2
  text "ATTEN3" at 19.45,64.846 h1.2
  text "TERM3" at 25.873,64.846 h1.2
  text "-" at 99.028,63.15 h1.2 r270
  text "CPL3" at 31.191,62.846 h1.2
  text "+5V2" at 106.623,62.374 h1.2 r270
  text "BUCK_OUT" at 103.096,61.258 h1.2 r270
  text "BUCK_IN" at 96.571,60.998 h1.2 r270
  text "+" at 99.06,58.428 h1.2
  text "+12V" at 96.468,57.546 h1.2 r270
  text "CH2_P" at 51.95,52.396 h1.2
  text "TRIM2" at 44.771,50.625 h1.2 r270
  text "PGA_CS2" at 44.6,45.996 h1.2
  text "CH2_N" at 51.955,45.021 h1.2
  text "ATTEN2" at 19.45,44.346 h1.2
  text "TERM2" at 25.873,44.346 h1.2
  text "CPL2" at 31.191,42.346 h1.2
  text "+3V3" at 102.195,41.298 h1.2
  text "PGOOD" at 89.292,37.673 h1.2
  text "ACQ_EN" at 106.133,36.296 h1.2
  text "+3V3_IN" at 104.021,32.096 h1.2
  text "CH1_P" at 51.958,31.896 h1.2
  text "+2V5" at 93.183,31.198 h1.2
  text "+3V3_M2" at 76.921,30.971 h1.2
  text "+3V3_IN" at 82.921,30.971 h1.2
  text "TRIM1" at 44.771,30.1 h1.2 r270
  text "-" at 95.85,27.397 h1.2 r180
  text "-" at 80.45,27.022 h1.2 r180
  text "+" at 74.997,26.99 h1.2 r90
  text "LDO" at 98.588,25.773 h1.2
  text "PGA_CS1" at 44.6,25.471 h1.2
  text "CH1_N" at 51.955,24.521 h1.2
  text "+3V3_IN" at 100.884,23.971 h1.2
  text "PERSTn" at 59.01,23.948 h1.2
  text "ATTEN1" at 19.45,23.846 h1.2
  text "TERM1" at 25.873,23.846 h1.2
  text "+" at 96.24,22.903 h1.2
  text "CPL1" at 31.191,21.846 h1.2
  text "GND" at 115.31,19.573 h1.2
  text "+3V3_PCIe" at 56.209,15.471 h1.2
  text "+3V3_IN" at 50.046,15.396 h1.2
  text "-" at 47.575,11.447 h1.2 r180
  text "+" at 53.847,11.44 h1.2 r90
Top Solder:
  drawing of 46 lines, arcs and shapes, not listed
  text "AZ" at 46.075,41.28 h4
  text "ThunderScope Rev.4" at 92.379,16.95 h2
  text "MB" at 9.488,8.2 h4
PCI-SIG Outline:
  the board outline again, w0.1
DrillDrawing:
  text "Drilling Details." at 225.001,138.483 h1
  text ".LEGEND" at 225.25,61.352 h1

## Dimensions
0,2 to 6,102 on PCI-SIG Dimensions
0,6.5 to 6,102 on PCI-SIG Dimensions
0,113.15 to 119,0 on PCI-SIG Dimensions

## Text inside footprints (layer, text, board x,y; h text height)
JM1: Top Overlay "1" at 85.992,29.459 h1 r270; Top Overlay "2" at 92.892,29.457 h1 r270; Top Assembly "1" at 85.992,29.459 h1 r270; Top Assembly "2" at 92.892,29.457 h1 r270
JM2: Top Overlay "1" at 53.992,29.459 h1 r270; Top Overlay "2" at 60.892,29.457 h1 r270; Top Assembly "1" at 53.992,29.459 h1 r270; Top Assembly "2" at 60.892,29.457 h1 r270
JM3: Top Overlay "2" at 80.782,23.697 h1; Top Overlay "1" at 80.779,16.797 h1; Top Assembly "1" at 80.779,16.797 h1; Top Assembly "2" at 80.782,23.697 h1